# Altium PCB NFC-Reader.PcbDoc (part 1 of 3) (continued)
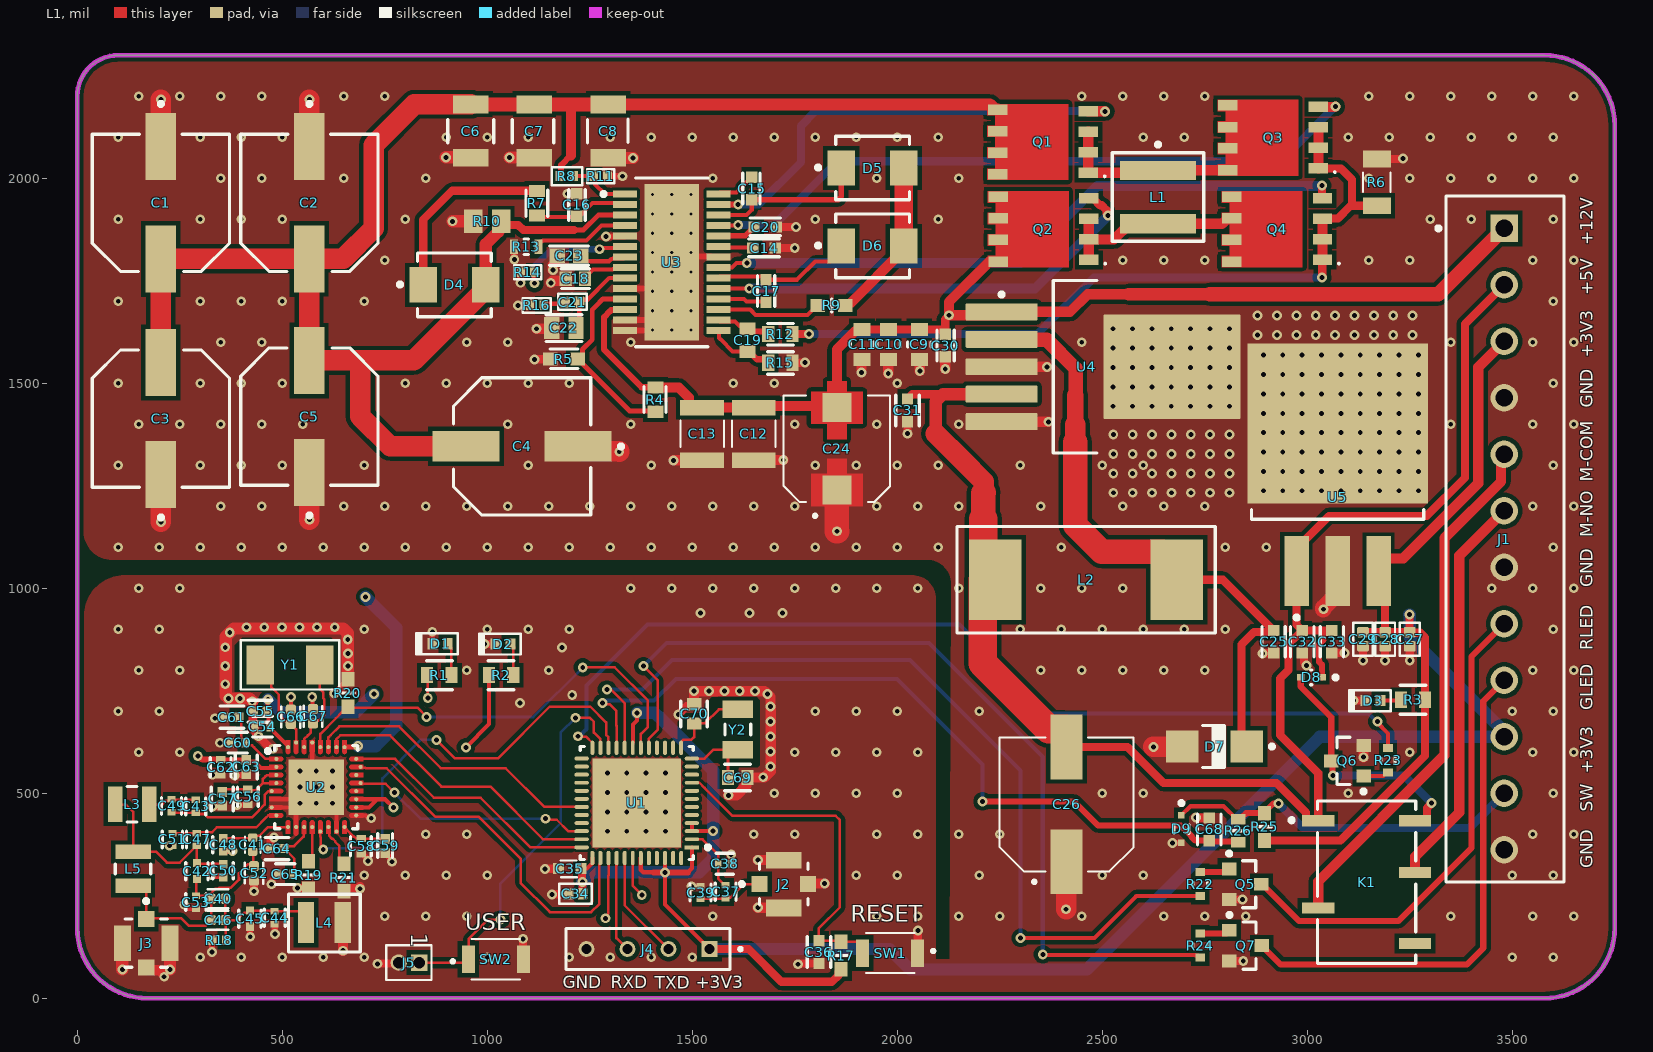
[diagram p0: L1 view]
## Components (designator, comment, footprint, x,y, rotation, side; value= is the part's Value field where it differs from the comment) (continued)
D3 "GREEN" LED0402G 3160,726 r0 top
D4 "VS-10BQ100-M3/5BT" "Diode Schottky 100V 1A 2-Pin SMB T/R / DIODE SCHOTTK" 920,1740 r0 top locked value=65pF
D5 "VS-10BQ100-M3/5BT" "Diode Schottky 100V 1A 2-Pin SMB T/R / DIODE SCHOTTK" 1940,2025 r0 top value=65pF
D6 "VS-10BQ100-M3/5BT" "Diode Schottky 100V 1A 2-Pin SMB T/R / DIODE SCHOTTK" 1940,1835 r0 top value=65pF
D7 "MBRA340T3G" Diode-SMD-Schotty-40V-3A 2774,614 r180 top
D8 "1N914BWT" 1N914BWT_dIODE_smd_ON_Semiconductor_502-01_MFG 3010,782.59 r180 top value=4pF
D9 "ESD5V0S1U02VH6327XTSA1" tvs_diode_Infineon_PG-SC79-2_MFG 2693,413 r270 top value=35pF
J1 "1751345" Terminal_Block_12pin_screw_Phoenix_Contact_1751345_0 3482.37,1120 r270 top locked
J2 "73412-0110" ANT_CONN_Molex_734-12-0110_0 1723.19,278.45 r270 top
J3 "73412-0110" ANT_CONN_Molex_734-12-0110_0 168.09,134.47 r180 top
J4 "TS-104-T-AA" 4pins-SAMTEC_TS-104-T-AA 1392,120 r180 top
J5 "FTS-102-01-F-S" HDR1X2_1.27MM 834,87 r270 top
K1 "1462042-8" RELAY_SPDT_TE_1462042-8_0 3144.76,283 r270 top
L1 "5.6uH" Coilcraft_XAL5050_MFG 2636,1954.16 r270 top value=5.6µH
L2 "100u,3.8A" COIL-SMD-100U-3.8A 2460.43,1020.63 r180 top value=100µH
L3 "150nH" 150nH-SMD2 134.01,473.47 r0 top
L4 "910nH" COIL_910nH_SMD 602.99,184.47 r180 top
L5 "330nH" 330nh-SMD2 136.09,315.62 r90 top
Q1 "BSC340N08NS3GATMA1" TDSON-8-MOSFET-N-CHANNEL 2354.78,2088.5 r90 top
Q2 "BSC340N08NS3GATMA1" TDSON-8-MOSFET-N-CHANNEL 2356,1875.89 r90 top
Q3 "BSC340N08NS3GATMA1" TDSON-8-MOSFET-N-CHANNEL 2916,2099 r90 top
Q4 "BSC340N08NS3GATMA1" TDSON-8-MOSFET-N-CHANNEL 2926,1875.89 r90 top
Q5 "BC817-25LT1G" transitor_npn_ONSC-SOT-23-3-318-08_V 2849,278.13 r0 top
Q6 "BC817-25LT1G" transitor_npn_ONSC-SOT-23-3-318-08_V 3098,579 r180 top
Q7 "BC817-25LT1G" transitor_npn_ONSC-SOT-23-3-318-08_V 2849.63,128.46 r0 top
R1 "100" 0603-RES-10OHM-0.1W 883,788 r0 top value=100Ω
R2 "100" 0603-RES-10OHM-0.1W 1034,788 r0 top value=100Ω
R3 "100" 0603-RES-10OHM-0.1W 3257.95,728.03 r0 top value=100Ω
R4 "280K" Vishay_CRCW0603-280k 1410,1460 r90 top value=280kΩ
R5 "20K" 20K-0603-Yageo_-_Phycomp_RC0603_0 1187,1559 r0 top value=20kΩ
R6 "R25" RESC3015X65N-25mohm 3170,1990 r270 top value=25mΩ
R7 "10" 0603-RES-10OHM-0.1W 1121,1939 r90 top value=10Ω
R8 "249K" RESC1005X37N 1193.95,2005.44 r180 top value=249kΩ
R9 "10K" YAGEO-0603-10K-0.1W 1840,1690 r180 top value=10kΩ
R10 "2K" 2K_0.125W_RESC2013X70X40NL20T20 1000,1895 r0 top locked value=2kΩ
R11 "36K5" RESC1005X37N 1276.41,2005 r180 top value=36.5kΩ
R12 "100" 0603-RES-10OHM-0.1W 1715,1620 r180 top value=100Ω
R13 "93K1" RC0603_MFG-93.1k 1095.08,1832.98 r0 top locked value=93.1kΩ
R14 "23K2" RESC1005X37N 1098.4,1770.65 r0 top locked value=23.2kΩ
R15 "100" 0603-RES-10OHM-0.1W 1715,1550 r0 top value=100Ω
R16 "5K9" RESC1005X37N 1120.58,1690 r180 top locked value=5.9kΩ
R17 "10K" YAGEO-0603-10K-0.1W 1863.14,104 r270 top value=10kΩ
R18 "1K2" RESC1005X40N-1.2k 346.09,141.47 r0 top value=1.2kΩ
R19 "10K" YAGEO-0603-10K-0.1W 564.09,300.47 r90 top value=10kΩ
R20 "10K" YAGEO-0603-10K-0.1W 660,744.46 r270 top value=10kΩ
R21 "10K" YAGEO-0603-10K-0.1W 650.09,294.47 r90 top value=10kΩ
R22 "1K" 1K_0603_KOA_Speer_RK73B1J_MFG 2739,278.46 r270 top
R23 "1K" 1K_0603_KOA_Speer_RK73B1J_MFG 3197,580.47 r90 top
R24 "1K" 1K_0603_KOA_Speer_RK73B1J_MFG 2739,128.46 r270 top
R25 "10K" YAGEO-0603-10K-0.1W 2896.19,418.24 r270 top value=10kΩ
R26 "475R" 475R_0603_Panasonic_ERJ3EK_MFG 2831.86,408.46 r270 top value=475Ω
SW1 "B3U-1000P" SW_PUSHBOTTON_B3U-1000P 1982.5,110.24 r180 top
SW2 "B3U-1000P" SW_PUSHBOTTON_B3U-1000P 1021,95 r0 top
U1 "ESP32-PICO-D4" Espressif_Systems_0_IPC_B 1364.66,476.41 r180 top
U2 "TRF7970ARHBR" NFC_FP_TRF7970ARHBR 583,514.94 r270 top
U3 "LM5176PWPR" FP-TSSOP28-BUCK-BOOST-LM5176PWPR 1450,1795 r0 top locked
U4 "LM2576S-5.0/NOPB" DPAK-LM2576S-5.0/NOPB 2502.68,1540.25 r0 top locked
U5 "MIC2940A-3.3WU-TR" FP-TO263-3LD-REG-BUCK-3.3V 3074,1348.75 r0 top
Y1 "QT532G-13.560MAHJ-T" "Crystal-13.56 MHz" 519,813 r0 top
Y2 "ABS07-32.768KHZ-T" CRYSTAL_32.768kHZ_FPABS07-MFG 1611.33,655.39 r90 top value=12.5pF

## Footprints (in the part's own frame and the unit in brackets; to place one, negate y for a bottom-side part, rotate by r counter-clockwise, add the part's x,y. Pads: shape width x height; smd on the part's side, far side on the other; paste and mask are expansions set on the pad)
1K_0603_KOA_Speer_RK73B1J_MFG [mm]
  rect 0.5x0.6 smd paste+0 mask+0: 1(-0.75,0) 2(0.75,0)
  silkscreen extent -0.13,-0.45 0.13,0.45, body extent -1.1,-0.55 1.1,0.55, height 0.25
1N914BWT_dIODE_smd_ON_Semiconductor_502-01_MFG [mm]
  rect 0.48x0.4 smd paste+0 mask+0: 1(-0.66,0) 2(0.66,0)
  silkscreen extent -1.63,-0.45 0.05,0.45, body extent -1,-0.55 1,0.55, height 0.25
2K_0.125W_RESC2013X70X40NL20T20 [mm] "Chip Resistor, 2-Leads, Body 2.2x1.35mm, IPC Medium Density"
  rect 1.15x1.45 smd: 1(-0.875,0) 2(0.875,0)
  body extent -1.1,-0.72 1.1,0.72, height 0.7
4pins-SAMTEC_TS-104-T-AA [mm]
  rect 0.985x0.985 hole 0.635: 1(-3.81,0)
  round 0.985 hole 0.635: 2(-1.27,0) 3(1.27,0) 4(3.81,0)
  silkscreen extent -5.83,-1.27 5.08,1.27, body extent -5.18,-1.27 5.18,1.27, height 8.28
20K-0603-Yageo_-_Phycomp_RC0603_0 [mm]
  rect 0.9x0.8 smd paste+0 mask+0: 1(-0.85,0) 2(0.85,0)
  silkscreen extent -0.86,-0.58 0.88,0.62, body extent -1.4,-0.55 1.4,0.55, height 0.25
22Pf_50V_Kemet_C0603C220J5GACTU_0 [mm]
  rect 0.75x0.9 smd paste+0 mask+0: 1(-0.6,0) 2(0.6,0)
  silkscreen extent -0.8,-0.82 0.8,0.82, body extent -0.8,-0.43 0.8,0.44, height 0.4
100pf-50v-0402-Murata_GRM15_MFG [mm]
  rect 0.4x0.5 smd paste+0 mask+0: 1(-0.4,0) 2(0.4,0)
  silkscreen extent -0.53,-0.63 0.53,0.63, body extent -0.7,-0.38 0.7,0.38, height 0.25
150nH-SMD2 [mm]
  rect 0.9x2.2 smd paste+0 mask+0.102: 1(-1.05,0) 2(1.05,0)
  silkscreen extent -0.3,-1.1 0.3,1.1, body extent -1.25,-1 1.25,1, height 1.11
220pf-50v-0402-yageo-CAPC1005X55N [mm]
  rrect53% 0.54x0.6 smd mask+0: 1(-0.43,0) 2(0.43,0)
  silkscreen extent -0.5,-0.48 0.5,0.48, body extent -0.5,-0.25 0.5,0.25, height 0.55
330nh-SMD2 [mm]
  rect 0.9x2.2 smd paste+0 mask+0.102: 1(-1.05,0) 2(1.05,0)
  silkscreen extent -0.3,-1.1 0.3,1.1, body extent -1.25,-1 1.25,1, height 1.11
0402_470pF_50VMurata_GCM155-0_05_MFG [mm]
  rect 0.4x0.5 smd paste+0 mask+0: 1(-0.4,0) 2(0.4,0)
  silkscreen extent -0.53,-0.65 0.53,0.65, body extent -0.7,-0.38 0.7,0.38, height 0.25
475R_0603_Panasonic_ERJ3EK_MFG [mm]
  rect 0.65x0.9 smd paste+0 mask+0: 1(-0.725,0) 2(0.725,0)
  silkscreen extent 0,-0.48 0,0.48, body extent -1.15,-0.58 1.15,0.58, height 0.25
"0603 (1608 Metric)-CAP-100NF-50V" [mm]
  rect 0.7x0.7 smd paste+0 mask+0: 1(-0.7,0) 2(0.7,0)
  silkscreen extent -0.95,-0.56 0.95,0.53, body extent -1.15,-0.65 1.15,0.65, height 0.25
0603-Cap-15nf-25v [mm]
  rect 0.75x0.9 smd paste+0 mask+0: 1(-0.6,0) 2(0.6,0)
  silkscreen extent -0.87,-0.6 0.88,0.61, body extent -1.2,-0.6 1.2,0.6, height 0.25
0603-RES-10OHM-0.1W [mm]
  rect 0.75x1 smd paste+0 mask+0: 1(-0.75,0) 2(0.75,0)
  silkscreen extent -0.8,-0.9 0.8,0.9, body extent -1.22,-0.6 1.22,0.6, height 0.25
1200F-50V-0402-Murata_GRM15_MFG [mm]
  rect 0.4x0.5 smd paste+0 mask+0: 1(-0.4,0) 2(0.4,0)
  silkscreen extent -0.53,-0.63 0.53,0.63, body extent -0.7,-0.38 0.7,0.38, height 0.25
ANT_CONN_Molex_734-12-0110_0 [mm]
  rect 1x1 smd paste+0 mask+0: 1(0,-1.5) 3(0,1.5)
  rect 1.05x2.2 smd paste+0 mask+0: 2(-1.475,0) 4(1.475,0)
  silkscreen extent -1.3,-2.72 1.3,1.5, body extent -1.5,-1.68 1.5,1.42, height 1.25
C0402-2.2u-10V-Murata_GRM155-0_2_MFG [mm]
  rect 0.45x0.6 smd paste+0 mask+0: 1(-0.475,0) 2(0.475,0)
  silkscreen extent -0.6,-0.64 0.6,0.65, body extent -0.8,-0.45 0.8,0.45, height 0.25
C0402-27pf-50V#1 [mil]
  rrect50% 25x25 smd mask+0: 1(-17.5,0) 2(17.5,0)
  silkscreen extent -25,-23 26,23, body extent -20,-10 19,10, height 22
C0402-27pf-50V#2 [mil]
  rrect50% 25x25 smd: 1(-17.5,0)
  rrect50% 25x25 smd mask+0: 2(17.5,0)
  silkscreen extent -25,-23 26,23, body extent -20,-10 19,10, height 22
C0402-100nF-10V [mil]
  rect 24.23x22.54 smd paste+0 mask+0: 1(-16.87,0) 2(16.87,0)
  silkscreen extent -29,-27 29,27, body extent -35,-17 35,17, height 10
C0402-1500pF-Murata_GRM15_MFG [mm]
  rect 0.4x0.5 smd paste+0 mask+0: 1(-0.4,0) 2(0.4,0)
  silkscreen extent -0.53,-0.63 0.53,0.63, body extent -0.7,-0.38 0.7,0.38, height 0.25
C0805C-180pF-50V [mm]
  rect 0.95x1.35 smd paste+0 mask+0: 1(-0.75,0) 2(0.75,0)
  silkscreen extent -1.1,-0.84 1.1,0.81, body extent -1.4,-0.85 1.4,0.85, height 0.25
cap1210-47u-16v [mm]
  rect 0.96x2.72 smd: 1(-1.625,0) 2(1.625,0)
  silkscreen extent -0.82,-1.35 0.82,1.35, body extent -1.6,-1.25 1.6,1.25, height 2.7
CAP-0603-47PF-50V [mm]
  rect 0.78x0.99 smd: 1(-0.7,0) 2(0.7,0)
  body extent -1.02,-0.55 1.28,0.55, height 0.25
CAP-1210-10U-100V [mm]
  rect 1.1x2.2 smd paste+0 mask+0: 1(-1.65,0) 2(1.65,0)
  silkscreen extent -0.72,-1.43 0.72,1.43, body extent -2.3,-1.53 2.3,1.53, height 0.25
CAP_1000uF-SMT [mm]
  rect 4x2 smd: 1(-3.55,0) 2(3.55,0)
  silkscreen extent -4.9,-4.15 4.15,4.15, body extent -4.85,-4.15 4.85,4.15, height 10.2
CAP_EEEFP1C101AV [mm]
  rect 1.8x1.8 smd paste-2 mask+0: 1(-2.55,0) 2(2.55,0)
  L1 region: -1.55,0.6 -0.6,0.6 -0.6,-0.6 -1.55,-0.6 -1.55,-1.6 -3.55,-1.6 -3.55,-0.6 -4.2,-0.6 -4.2,0.6 -3.55,0.6 -3.55,1.6 -1.55,1.6
  L1 region: 3.55,0.6 4.2,0.6 4.2,-0.6 3.55,-0.6 3.55,-1.6 1.55,-1.6 1.55,-0.6 0.6,-0.6 0.6,0.6 1.55,0.6 1.55,1.6 3.55,1.6
  silkscreen extent -4.25,-3.3 3.3,3.3, body extent -3.65,-3.3 3.65,3.3, height 6.1
CAPC1005X90N [mm]
  rrect25% 0.64x0.72 smd mask+0: 1(-0.439,0) 2(0.439,0)
  silkscreen extent -0.87,-0.48 0.91,0.51, body extent -0.5,-0.25 0.5,0.25, height 0.9
COIL-SMD-100U-3.8A [mm]
  rect 3.25x5 smd: 1(-5.625,0) 2(5.625,0)
  silkscreen extent -8,-3.3 8,3.3, body extent -7.5,-7.37 7.5,7.63, height 8.6
COIL_910nH_SMD [mm]
  rect 1.02x2.54 smd mask+0: 1(-1.145,0)
  rect 1.02x2.54 smd: 2(1.145,0)
  silkscreen extent -2.21,-1.75 2.24,1.83, body extent -1.25,-1.02 1.25,0.99, height 1.11
Coilcraft_XAL5050_MFG [mm]
  rect 1.18x4.7 smd paste+0 mask+0: 1(-1.655,0) 2(1.655,0)
  silkscreen extent -3.37,-2.84 2.74,2.84, body extent -2.84,-2.94 2.84,2.94, height 0.25
"Crystal-13.56 MHz" [mm]
  rect 1.7x2.4 smd: 1(-1.85,0) 2(1.85,0)
  silkscreen extent -3.05,-1.52 3.05,1.52, body extent -3,-1.75 3,1.75, height 1.41
CRYSTAL_32.768kHZ_FPABS07-MFG [mm]
  rect 1.1x1.9 smd paste+0 mask+0: 1(-1.25,0) 2(1.25,0)
  silkscreen extent -0.33,-0.8 0.33,0.8, body extent -1.9,-1.05 1.9,1.05, height 0.25
"Diode Schottky 100V 1A 2-Pin SMB T/R / DIODE SCHOTTK" [mil]
  rect 67.5x86 smd paste+0 mask+0: 1(-76.25,0) 2(76.25,0)
  silkscreen extent -138,-78 90,78, body extent -114,-81 114,81, height 10
Diode-SMD-Schotty-40V-3A [mm] "Molded, 2-Leads, Body 4.32x2.6mm"
  rect 2x2 smd: 1(-2,0) 2(2,0)
  silkscreen extent -3.68,-1.3 0.74,1.3, body extent -2.16,-1.3 2.16,1.3, height 2.2
DPAK-LM2576S-5.0/NOPB [mm] "DPAK, 5-Leads, Body 10.65x9.65mm, Pitch 1.7mm, IPC Low Density"
  rrect10% 4.45x1.05 smd: 1(-6.3,3.4) 2(-6.3,1.7) 3(-6.3,0) 4(-6.3,-1.7) 5(-6.3,-3.4)
  rrect2% 8.5x6.45 smd: 6(4.25,0)
  silkscreen extent -6.42,-5.35 -0.4,5.35
Espressif_Systems_0_IPC_B [mm]
  rect 0.885x0.242 smd paste+0 mask+0: 1(-3.413,2.75)
  rrect100% 0.885x0.242 smd paste+0 mask+0: 2(-3.413,2.25) 3(-3.413,1.75) 4(-3.413,1.25) 5(-3.413,0.75) 6(-3.413,0.25) 7(-3.413,-0.25) 8(-3.413,-0.75) 9(-3.413,-1.25) 10(-3.413,-1.75) 11(-3.413,-2.25) 12(-3.413,-2.75) 25(3.413,-2.75) 26(3.413,-2.25) 27(3.413,-1.75) 28(3.413,-1.25) 29(3.413,-0.75) 30(3.413,-0.25) 31(3.413,0.25) 32(3.413,0.75) 33(3.413,1.25) 34(3.413,1.75) 35(3.413,2.25) 36(3.413,2.75)
  rrect100% 0.242x0.885 smd paste+0 mask+0: 13(-2.75,-3.413) 14(-2.25,-3.413) 15(-1.75,-3.413) 16(-1.25,-3.413) 17(-0.75,-3.413) 18(-0.25,-3.413) 19(0.25,-3.413) 20(0.75,-3.413) 21(1.25,-3.413) 22(1.75,-3.413) 23(2.25,-3.413) 24(2.75,-3.413) 37(2.75,3.413) 38(2.25,3.413) 39(1.75,3.413) 40(1.25,3.413) 41(0.75,3.413) 42(0.25,3.413) 43(-0.25,3.413) 44(-0.75,3.413) 45(-1.25,3.413) 46(-1.75,3.413) 47(-2.25,3.413) 48(-2.75,3.413)
  rect 5.5x5.5 smd paste-1000 mask+0: 49(0,0)
  silkscreen extent -4.53,-3.5 3.5,3.5, body extent -4.11,-4.11 4.11,4.11, height 0.25
FP-0603-120PF-50V [mil]
  rect 37.72x35.91 smd paste+0 mask+0: 1(-28.62,0) 2(28.62,0)
  silkscreen extent -47,-23 47,24, body extent -57,-28 57,28, height 10
FP-SMT-CAP-15U-100V-ELECTROLTIC [mm]
  rect 4.15x1.9 smd paste+0 mask+0: 1(-3.475,0) 2(3.475,0)
  silkscreen extent -6.25,-4.25 4.25,4.25, body extent -5.8,-4.5 5.8,4.5, height 0.25
FP-TO263-3LD-REG-BUCK-3.3V [mil]
  rect 60x170 smd paste+0 mask+0: 1(-100,-306.75) 2(0,-306.75) 3(100,-306.75)
  rect 440x390 smd paste+0 mask+0: 4(0,53.25)
  silkscreen extent -210,-425 210,-157, body extent -224,-396 224,252, height 10
FP-TSSOP28-BUCK-BOOST-LM5176PWPR [mm]
  rrect22% 1.5x0.45 smd paste+0 mask+0: 1(-2.9,4.225) 2(-2.9,3.575) 3(-2.9,2.925) 4(-2.9,2.275) 5(-2.9,1.625) 6(-2.9,0.975) 7(-2.9,0.325) 8(-2.9,-0.325) 9(-2.9,-0.975) 10(-2.9,-1.625) 11(-2.9,-2.275) 12(-2.9,-2.925) 13(-2.9,-3.575) 14(-2.9,-4.225) 15(2.9,-4.225) 16(2.9,-3.575) 17(2.9,-2.925) 18(2.9,-2.275) 19(2.9,-1.625) 20(2.9,-0.975) 21(2.9,-0.325) 22(2.9,0.325) 23(2.9,0.975) 24(2.9,1.625) 25(2.9,2.275) 26(2.9,2.925) 27(2.9,3.575) 28(2.9,4.225)
  rrect3% 3.4x9.7 smd paste-1000 mask-1000: 29(0,0)
  silkscreen extent -4.35,-5.23 2.25,5.23, body extent -3.75,-5.15 3.75,5.15, height 0.25
HDR1X2_1.27MM [mil]
  rect 40x40 hole 28 mask+0: 1(0,0)
  round 40 hole 28 mask+0: 2(0,-50)
  silkscreen extent -43,-80 43,30, body extent -44,-75 42,25, height 159
Kemet_C0402-680PF-50 [mm]
  rect 0.52x0.52 smd paste+0 mask+0: 1(-0.4,0) 2(0.4,0)
  silkscreen extent -0.5,-0.64 0.5,0.64, body extent -0.8,-0.4 0.8,0.4, height 0.25
LED0402B [mm]
  rect 0.6x0.7 smd: 1(-0.475,0) 2(0.475,0)
  silkscreen extent -1.47,-0.66 1.1,0.65, body extent -0.5,-0.3 0.5,0.3, height 0.2
LED0402G [mm]
  rect 0.6x0.7 smd: 1(-0.475,0) 2(0.475,0)
  silkscreen extent -1.47,-0.66 1.1,0.65, body extent -0.53,-0.3 0.47,0.3, height 0.2
LED0402R [mm]
  rect 0.6x0.7 smd: 1(-0.475,0) 2(0.475,0)
  silkscreen extent -1.47,-0.66 1.1,0.65, body extent -0.5,-0.3 0.5,0.3, height 0.2
NFC_FP_TRF7970ARHBR [mm]
  round 0.252 smd paste-1000 mask+0: 1(-1.75,-2.475) 2(-1.25,-2.475) 3(-0.75,-2.475) 4(-0.25,-2.475) 5(0.25,-2.76) 7(1.25,-2.76) 8(1.75,-2.475) 9(2.475,-1.75) 10(2.475,-1.25) 11(2.475,-0.75) 12(2.475,-0.25) 13(2.75,0.25) 14(2.475,0.75) 15(2.75,1.25) 16(2.475,1.75) 17(1.75,2.475) 18(1.25,2.475) 19(0.75,2.475) 20(0.25,2.475) 21(-0.25,2.75) 22(-0.75,2.475) 23(-1.25,2.75) 24(-1.75,2.475) 25(-2.475,1.75) 26(-2.475,1.25) 27(-2.475,0.75) 28(-2.475,0.25) 29(-2.76,-0.25) 30(-2.475,-0.75) 31(-2.76,-1.25) 32(-2.475,-1.75)
  rect 3.45x3.45 smd paste-1000 mask+0: 33(0,0)
  L1 region: 2.9,0.11 2.19,0.11 2.136,0.121 2.091,0.151 2.061,0.196 2.05,0.25 2.05,0.25 2.061,0.304 2.091,0.349 2.136,0.379 2.19,0.39 2.19,0.39 2.9,0.39
  L1 region: -1.61,2.9 -1.61,2.19 -1.621,2.136 -1.651,2.091 -1.696,2.061 -1.75,2.05 -1.75,2.05 -1.804,2.061 -1.849,2.091 -1.879,2.136 -1.89,2.19 -1.89,2.19 -1.89,2.9
  L1 region: -2.9,0.89 -2.19,0.89 -2.136,0.879 -2.091,0.849 -2.061,0.804 -2.05,0.75 -2.05,0.75 -2.061,0.696 -2.091,0.651 -2.136,0.621 -2.19,0.61 -2.19,0.61 -2.9,0.61
  L1 region: -1.11,2.9 -1.11,2.19 -1.121,2.136 -1.151,2.091 -1.196,2.061 -1.25,2.05 -1.25,2.05 -1.304,2.061 -1.349,2.091 -1.379,2.136 -1.39,2.19 -1.39,2.19 -1.39,2.9
  L1 region: -2.9,1.89 -2.19,1.89 -2.136,1.879 -2.091,1.849 -2.061,1.804 -2.05,1.75 -2.05,1.75 -2.061,1.696 -2.091,1.651 -2.136,1.621 -2.19,1.61 -2.19,1.61 -2.9,1.61
  L1 region: -1.39,-2.9 -1.39,-2.19 -1.379,-2.136 -1.349,-2.091 -1.304,-2.061 -1.25,-2.05 -1.25,-2.05 -1.196,-2.061 -1.151,-2.091 -1.121,-2.136 -1.11,-2.19 -1.11,-2.19 -1.11,-2.9
  L1 region: -0.11,2.9 -0.11,2.19 -0.121,2.136 -0.151,2.091 -0.196,2.061 -0.25,2.05 -0.25,2.05 -0.304,2.061 -0.349,2.091 -0.379,2.136 -0.39,2.19 -0.39,2.19 -0.39,2.9
  L1 region: -2.9,0.39 -2.19,0.39 -2.136,0.379 -2.091,0.349 -2.061,0.304 -2.05,0.25 -2.05,0.25 -2.061,0.196 -2.091,0.151 -2.136,0.121 -2.19,0.11 -2.19,0.11 -2.9,0.11
  L1 region: -2.9,1.39 -2.19,1.39 -2.136,1.379 -2.091,1.349 -2.061,1.304 -2.05,1.25 -2.05,1.25 -2.061,1.196 -2.091,1.151 -2.136,1.121 -2.19,1.11 -2.19,1.11 -2.9,1.11
  L1 region: 2.9,0.61 2.19,0.61 2.136,0.621 2.091,0.651 2.061,0.696 2.05,0.75 2.05,0.75 2.061,0.804 2.091,0.849 2.136,0.879 2.19,0.89 2.19,0.89 2.9,0.89
  L1 region: -0.89,-2.9 -0.89,-2.19 -0.879,-2.136 -0.849,-2.091 -0.804,-2.061 -0.75,-2.05 -0.75,-2.05 -0.696,-2.061 -0.651,-2.091 -0.621,-2.136 -0.61,-2.19 -0.61,-2.19 -0.61,-2.9
  L1 region: -0.39,-2.9 -0.39,-2.19 -0.379,-2.136 -0.349,-2.091 -0.304,-2.061 -0.25,-2.05 -0.25,-2.05 -0.196,-2.061 -0.151,-2.091 -0.121,-2.136 -0.11,-2.19 -0.11,-2.19 -0.11,-2.9
  L1 region: -2.9,-0.11 -2.19,-0.11 -2.136,-0.121 -2.091,-0.151 -2.061,-0.196 -2.05,-0.25 -2.05,-0.25 -2.061,-0.304 -2.091,-0.349 -2.136,-0.379 -2.19,-0.39 -2.19,-0.39 -2.9,-0.39
  L1 region: 1.89,2.9 1.89,2.19 1.879,2.136 1.849,2.091 1.804,2.061 1.75,2.05 1.75,2.05 1.696,2.061 1.651,2.091 1.621,2.136 1.61,2.19 1.61,2.19 1.61,2.9
  L1 region: 0.61,-2.9 0.61,-2.19 0.621,-2.136 0.651,-2.091 0.696,-2.061 0.75,-2.05 0.75,-2.05 0.804,-2.061 0.849,-2.091 0.879,-2.136 0.89,-2.19 0.89,-2.19 0.89,-2.9
  L1 region: 2.9,1.11 2.19,1.11 2.136,1.121 2.091,1.151 2.061,1.196 2.05,1.25 2.05,1.25 2.061,1.304 2.091,1.349 2.136,1.379 2.19,1.39 2.19,1.39 2.9,1.39
  L1 region: 2.9,-1.39 2.19,-1.39 2.136,-1.379 2.091,-1.349 2.061,-1.304 2.05,-1.25 2.05,-1.25 2.061,-1.196 2.091,-1.151 2.136,-1.121 2.19,-1.11 2.19,-1.11 2.9,-1.11
  L1 region: 1.11,-2.9 1.11,-2.19 1.121,-2.136 1.151,-2.091 1.196,-2.061 1.25,-2.05 1.25,-2.05 1.304,-2.061 1.349,-2.091 1.379,-2.136 1.39,-2.19 1.39,-2.19 1.39,-2.9
  L1 region: 1.61,-2.9 1.61,-2.19 1.621,-2.136 1.651,-2.091 1.696,-2.061 1.75,-2.05 1.75,-2.05 1.804,-2.061 1.849,-2.091 1.879,-2.136 1.89,-2.19 1.89,-2.19 1.89,-2.9
  L1 region: 2.9,-0.39 2.19,-0.39 2.136,-0.379 2.091,-0.349 2.061,-0.304 2.05,-0.25 2.05,-0.25 2.061,-0.196 2.091,-0.151 2.136,-0.121 2.19,-0.11 2.19,-0.11 2.9,-0.11
  L1 region: 2.9,-1.89 2.19,-1.89 2.136,-1.879 2.091,-1.849 2.061,-1.804 2.05,-1.75 2.05,-1.75 2.061,-1.696 2.091,-1.651 2.136,-1.621 2.19,-1.61 2.19,-1.61 2.9,-1.61
  L1 region: 2.9,-0.89 2.19,-0.89 2.136,-0.879 2.091,-0.849 2.061,-0.804 2.05,-0.75 2.05,-0.75 2.061,-0.696 2.091,-0.651 2.136,-0.621 2.19,-0.61 2.19,-0.61 2.9,-0.61
  L1 region: 2.9,1.61 2.19,1.61 2.136,1.621 2.091,1.651 2.061,1.696 2.05,1.75 2.05,1.75 2.061,1.804 2.091,1.849 2.136,1.879 2.19,1.89 2.19,1.89 2.9,1.89
  L1 region: -2.9,-0.61 -2.19,-0.61 -2.136,-0.621 -2.091,-0.651 -2.061,-0.696 -2.05,-0.75 -2.05,-0.75 -2.061,-0.804 -2.091,-0.849 -2.136,-0.879 -2.19,-0.89 -2.19,-0.89 -2.9,-0.89
  L1 region: 0.11,-2.9 0.11,-2.19 0.121,-2.136 0.151,-2.091 0.196,-2.061 0.25,-2.05 0.25,-2.05 0.304,-2.061 0.349,-2.091 0.379,-2.136 0.39,-2.19 0.39,-2.19 0.39,-2.9
  L1 region: -1.89,-2.9 -1.89,-2.19 -1.879,-2.136 -1.849,-2.091 -1.804,-2.061 -1.75,-2.05 -1.75,-2.05 -1.696,-2.061 -1.651,-2.091 -1.621,-2.136 -1.61,-2.19 -1.61,-2.19 -1.61,-2.9
  L1 region: 0.89,2.9 0.89,2.19 0.879,2.136 0.849,2.091 0.804,2.061 0.75,2.05 0.75,2.05 0.696,2.061 0.651,2.091 0.621,2.136 0.61,2.19 0.61,2.19 0.61,2.9
  L1 region: 1.39,2.9 1.39,2.19 1.379,2.136 1.349,2.091 1.304,2.061 1.25,2.05 1.25,2.05 1.196,2.061 1.151,2.091 1.121,2.136 1.11,2.19 1.11,2.19 1.11,2.9
  L1 region: -2.9,-1.61 -2.19,-1.61 -2.136,-1.621 -2.091,-1.651 -2.061,-1.696 -2.05,-1.75 -2.05,-1.75 -2.061,-1.804 -2.091,-1.849 -2.136,-1.879 -2.19,-1.89 -2.19,-1.89 -2.9,-1.89
  L1 region: -2.9,-1.11 -2.19,-1.11 -2.136,-1.121 -2.091,-1.151 -2.061,-1.196 -2.05,-1.25 -2.05,-1.25 -2.061,-1.304 -2.091,-1.349 -2.136,-1.379 -2.19,-1.39 -2.19,-1.39 -2.9,-1.39
  L1 region: -0.61,2.9 -0.61,2.19 -0.621,2.136 -0.651,2.091 -0.696,2.061 -0.75,2.05 -0.75,2.05 -0.804,2.061 -0.849,2.091 -0.879,2.136 -0.89,2.19 -0.89,2.19 -0.89,2.9
  L1 region: 0.39,2.9 0.39,2.19 0.379,2.136 0.349,2.091 0.304,2.061 0.25,2.05 0.25,2.05 0.196,2.061 0.151,2.091 0.121,2.136 0.11,2.19 0.11,2.19 0.11,2.9
  silkscreen extent -2.58,-3.12 2.58,2.58, body extent -3,-3 3,3, height 0.25
RC0603_MFG-93.1k [mm]
  rect 0.5x0.9 smd paste+0 mask+0: 1(-0.75,0) 2(0.75,0)
  silkscreen extent -0.13,-0.48 0.13,0.48, body extent -0.77,-0.43 0.77,0.43, height 0.5
RELAY_SPDT_TE_1462042-8_0 [mm]
  rect 0.7x2 smd paste+0 mask+0: 1(-3.8,-3) 3(1.6,-3) 5(3.8,3) 7(-0.6,3) 8(-3.8,3)
  silkscreen extent -5.04,-4.77 5.04,3.04, body extent -5.14,-4.1 5.14,4.1, height 0.25
RESC1005X37N [mm]
  rect 0.54x0.6 smd mask+0: 1(-0.432,0) 2(0.432,0)
  silkscreen extent -0.97,-0.53 0.94,0.56, body extent -0.5,-0.25 0.5,0.25, height 0.37
RESC1005X40N-1.2k [mm]
  rect 0.54x0.6 smd paste+0 mask+0: 1(-0.432,0) 2(0.432,0)
  body extent -0.5,-0.25 0.5,0.25, height 0.4
RESC3015X65N-25mohm [mm]
  rect 1.03x1.72 smd: 1(-1.445,0) 2(1.445,0)
  silkscreen extent -0.61,-0.85 0.61,0.85, body extent -1.53,-0.77 1.53,0.77, height 0.65
SW_PUSHBOTTON_B3U-1000P [mm]
  rect 0.8x1.7 smd: 1(-1.7,0) 2(1.7,0)
  silkscreen extent -2.77,-1.25 1.5,1.25, body extent -2,-1.25 2,1.25, height 1.76
TDK_0805-22uF-35V [mm]
  rect 0.8x1.05 smd paste+0 mask+0: 1(-0.925,0) 2(0.925,0)
  silkscreen extent -0.15,-0.72 0.15,0.72, body extent -1.43,-0.82 1.43,0.82, height 0.25
TDK_C1005-68pf-50v [mm]
  rect 0.4x0.5 smd paste+0 mask+0: 1(-0.4,0) 2(0.4,0)
  silkscreen extent -0.53,-0.65 0.53,0.65, body extent -0.7,-0.38 0.7,0.38, height 0.25
TDSON-8-MOSFET-N-CHANNEL [mm] "TDSON, 8-Leads, Body 6.15x5.15mm, Pitch 1.27mm"
  rect 0.65x1.2 smd: 1(-1.905,-2.825) 2(-0.635,-2.825) 3(0.635,-2.825) 4(1.905,-2.825) 5(2.007,2.794) 6(0.66,2.794) 7(-0.66,2.794) 8(-2.007,2.794)
  L1 region: -2.35,2.925 -2.35,-1.575 2.35,-1.575 2.35,2.925
  L1 region: -2.35,2.925 -1.65,2.925 -1.65,3.425 -2.35,3.425
  L1 region: 1.65,2.925 2.35,2.925 2.35,3.425 1.65,3.425
  L1 region: -1.015,2.925 -0.315,2.925 -0.315,3.425 -1.015,3.425
  L1 region: 0.315,2.925 1.015,2.925 1.015,3.425 0.315,3.425
  silkscreen extent -2.23,-3.94 -2.03,-3.74, body extent -2.58,-3.08 2.58,3.08, height 1
Terminal_Block_12pin_screw_Phoenix_Contact_1751345_0 [mm]
  rect 1.7x1.7 hole 1.1 paste-2539.97 mask+0: 1(-19.25,-0.05)
  round 1.7 hole 1.1 paste-2539.97 mask+0: 2(-15.75,-0.05) 3(-12.25,-0.05) 4(-8.75,-0.05) 5(-5.25,-0.05) 6(-1.75,-0.05) 7(1.75,-0.05) 8(5.25,-0.05) 9(8.75,-0.05) 10(12.25,-0.05) 11(15.75,-0.05) 12(19.25,-0.05)
  silkscreen extent -21.25,-4.25 21.25,3.65, body extent -21.34,-3.74 21.16,3.56, height 8.5
transitor_npn_ONSC-SOT-23-3-318-08_V [mm] "SOT23, 3-Leads, Body 2.92x1.3mm, Pitch 0.95mm"
  rect 0.9x0.8 smd: 1(-1,0.95) 2(-1,-0.95) 3(1,0)
  silkscreen extent -1.12,-1.46 0.65,2.02, body extent -0.65,-1.46 0.65,1.46, height 1.11
tvs_diode_Infineon_PG-SC79-2_MFG [mm]
  rect 0.4x0.4 smd paste+0 mask+0: 1(-0.85,0) 2(0.85,0)